# KiCad board rabbit_mask.kicad_pcb (continued)
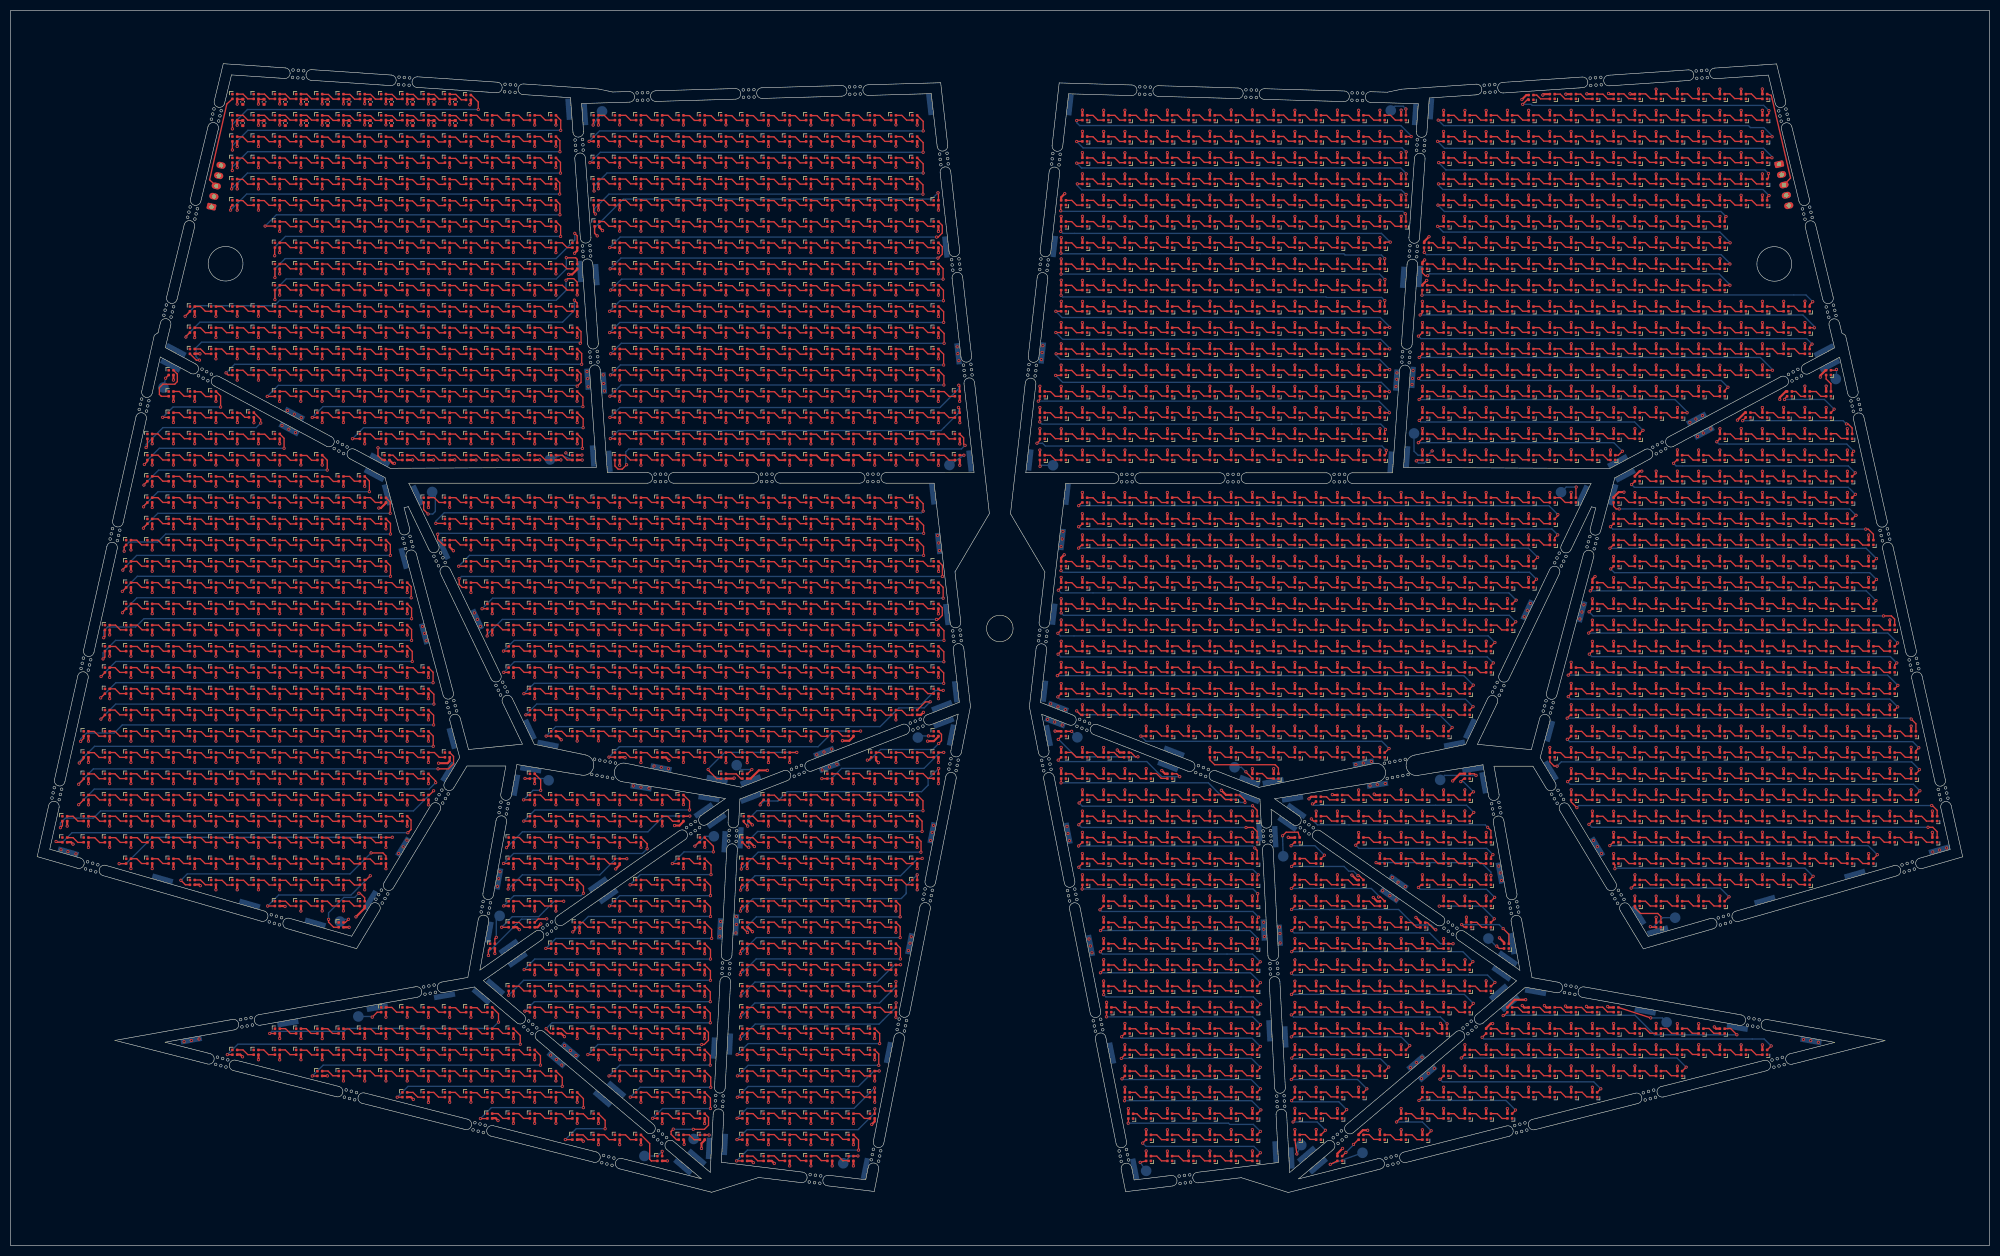
[diagram p0: board, top side]
## Routing (per net, layer and track width the routed paths; a pad name or vN(x,y) marks a point on that pad's centre or on a via; arc(x,y) is an arc through that point) (continued)
  Top w0.25: 253.69,183.9 252.59,183.9 251.69,184.8 250.59,184.8
Net-(D1739-DIN): length 3.5
  Top w0.25: 254.64,184.8 255.74,184.8 256.64,183.9 257.74,183.9
Net-(D1741-DIN): length 3.5
  Top w0.25: D1742.3 268.65,183.91 267.75,184.81 D1741.1
Net-(D1741-DOUT): length 61
  Top w0.25: v1(266.75,182.61) 266.3,182.61 265.75,183.16 D1741.3 ; v1(323.65,180.81) D1786.1
  Bottom w0.25: v1(323.65,180.81) 323.65,180.91 321.6,182.96 267.1,182.96 v1(266.75,182.61)
Net-(D1742-DIN): length 3.5
  Top w0.25: 270.75,184.81 271.85,184.81 272.75,183.91 273.85,183.91
Net-(D1743-DIN): length 3.5
  Top w0.25: 274.75,184.81 275.85,184.81 276.75,183.91 277.85,183.91
Net-(D1744-DIN): length 3.5
  Top w0.25: D1745.3 280.65,183.91 279.75,184.81 D1744.1
Net-(D1745-DIN): length 3.5
  Top w0.25: 282.6,184.86 283.7,184.86 284.6,183.96 285.7,183.96
Net-(D1746-DIN): length 3.5
  Top w0.25: 286.7,184.86 287.8,184.86 288.7,183.96 289.8,183.96
Net-(D1747-DIN): length 3.5
  Top w0.25: 290.7,184.86 291.8,184.86 292.7,183.96 293.8,183.96
Net-(D1748-DIN): length 3.5
  Top w0.25: 294.6,184.86 295.7,184.86 296.6,183.96 297.7,183.96
Net-(D1749-DIN): length 3.5
  Top w0.25: 298.65,184.86 299.75,184.86 300.65,183.96 301.75,183.96
Net-(D1750-DIN): length 3.5
  Top w0.25: 305.65,183.96 304.55,183.96 303.65,184.86 302.55,184.86
Net-(D1751-DIN): length 3.5
  Top w0.25: 306.6,184.86 307.7,184.86 308.6,183.96 309.7,183.96
Net-(D1752-DIN): length 3.5
  Top w0.25: D1752.1 311.75,184.81 312.65,183.91 D1753.3
Net-(D1753-DIN): length 3.5
  Top w0.25: 314.7,184.81 315.8,184.81 316.7,183.91 317.8,183.91
Net-(D1754-DIN): length 3.5
  Top w0.25: 321.7,183.91 320.6,183.91 319.7,184.81 318.6,184.81
Net-(D1756-DIN): length 3.5
  Top w0.25: 201.75,179.9 200.65,179.9 199.75,180.8 198.65,180.8
Net-(D1756-DOUT): length 63.5
  Top w0.25: v1(258.68,177.94) 258.65,177.91 D1802.1 ; v1(197.72,178.94) 197.72,179.89 D1756.3
  Bottom w0.25: v1(258.68,177.94) 258.09,178.52 247.69,178.52 247.6,178.61 198.05,178.61 v1(197.72,178.94)
Net-(D1757-DIN): length 3.5
  Top w0.25: 202.75,180.8 203.85,180.8 204.75,179.9 205.85,179.9
Net-(D1758-DIN): length 3.5
  Top w0.25: 209.85,179.9 208.75,179.9 207.85,180.8 206.75,180.8
Net-(D1759-DIN): length 3.5
  Top w0.25: 210.65,180.8 211.75,180.8 212.65,179.9 213.75,179.9
Net-(D1760-DIN): length 3.5
  Top w0.25: 214.6,180.85 215.7,180.85 216.6,179.95 217.7,179.95
Net-(D1761-DIN): length 3.5
  Top w0.25: 218.7,180.85 219.8,180.85 220.7,179.95 221.8,179.95
Net-(D1762-DIN): length 3.5
  Top w0.25: 225.8,179.95 224.7,179.95 223.8,180.85 222.7,180.85
Net-(D1763-DIN): length 3.5
  Top w0.25: 226.6,180.85 227.7,180.85 228.6,179.95 229.7,179.95
Net-(D1764-DIN): length 3.5
  Top w0.25: 230.65,180.85 231.75,180.85 232.65,179.95 233.75,179.95
Net-(D1765-DIN): length 3.5
  Top w0.25: 237.65,179.95 236.55,179.95 235.65,180.85 234.55,180.85
Net-(D1766-DIN): length 3.5
  Top w0.25: 241.7,179.95 240.6,179.95 239.7,180.85 238.6,180.85
Net-(D1767-DIN): length 3.5
  Top w0.25: 245.75,179.9 244.65,179.9 243.75,180.8 242.65,180.8
Net-(D1768-DIN): length 3.5
  Top w0.25: 246.7,180.8 247.8,180.8 248.7,179.9 249.8,179.9
Net-(D1769-DIN): length 3.5
  Top w0.25: 253.7,179.9 252.6,179.9 251.7,180.8 250.6,180.8
Net-(D1770-DIN): length 3.5
  Top w0.25: 254.65,180.8 255.75,180.8 256.65,179.9 257.75,179.9
Net-(D1772-DIN): length 3.5
  Top w0.25: 266.66,180.79 267.76,180.79 268.66,179.89 269.76,179.89
Net-(D1772-DOUT): length 76.2
  Top w0.25: D1772.3 265.68,179.84 v1(265.68,178.94) ; v1(339.22,177.71) 338.65,177.14 D1821.1
  Bottom w0.25: v1(339.22,177.71) 337.95,178.99 265.72,178.99 v1(265.68,178.94)
Net-(D1773-DIN): length 3.5
  Top w0.25: 270.76,180.79 271.86,180.79 272.76,179.89 273.86,179.89
Net-(D1774-DIN): length 3.5
  Top w0.25: 277.86,179.89 276.76,179.89 275.86,180.79 274.76,180.79
Net-(D1775-DIN): length 3.5
  Top w0.25: 281.76,179.89 280.66,179.89 279.76,180.79 278.66,180.79
Net-(D1776-DIN): length 3.5
  Top w0.25: 282.61,180.84 283.71,180.84 284.61,179.94 285.71,179.94
Net-(D1777-DIN): length 3.5
  Top w0.25: 286.71,180.84 287.81,180.84 288.71,179.94 289.81,179.94
Net-(D1778-DIN): length 3.5
  Top w0.25: 290.71,180.84 291.81,180.84 292.71,179.94 293.81,179.94
Net-(D1779-DIN): length 3.5
  Top w0.25: 294.61,180.84 295.71,180.84 296.61,179.94 297.71,179.94
Net-(D1780-DIN): length 3.5
  Top w0.25: 298.66,180.84 299.76,180.84 300.66,179.94 301.76,179.94
Net-(D1781-DIN): length 3.5
  Top w0.25: 302.56,180.84 303.66,180.84 304.56,179.94 305.66,179.94
Net-(D1782-DIN): length 3.5
  Top w0.25: 306.61,180.84 307.71,180.84 308.61,179.94 309.71,179.94
Net-(D1783-DIN): length 3.5
  Top w0.25: 313.76,179.89 312.66,179.89 311.76,180.79 310.66,180.79
Net-(D1784-DIN): length 3.5
  Top w0.25: 317.81,179.89 316.71,179.89 315.81,180.79 314.71,180.79
Net-(D1785-DIN): length 3.5
  Top w0.25: 318.61,180.79 319.71,180.79 320.61,179.89 321.71,179.89
Net-(D1787-DIN): length 3.5
  Top w0.25: 198.64,176.78 199.74,176.78 200.64,175.88 201.74,175.88
Net-(D1787-DOUT): length 66.1
  Top w0.25: v1(259.6,172.86) 258.7,172.86 D1837.1 ; D1787.3 v1(196.75,175.91)
  Bottom w0.25: v1(196.75,175.91) 197.92,174.74 257.84,174.74 259.6,172.97 v1(259.6,172.86)
Net-(D1788-DIN): length 3.5
  Top w0.25: 202.74,176.78 203.84,176.78 204.74,175.88 205.84,175.88
Net-(D1789-DIN): length 3.5
  Top w0.25: 209.84,175.88 208.74,175.88 207.84,176.78 206.74,176.78
Net-(D1790-DIN): length 3.5
  Top w0.25: 213.74,175.88 212.64,175.88 211.74,176.78 210.64,176.78
Net-(D1791-DIN): length 3.5
  Top w0.25: 217.69,175.93 216.59,175.93 215.69,176.83 214.59,176.83
Net-(D1792-DIN): length 3.5
  Top w0.25: 221.79,175.93 220.69,175.93 219.79,176.83 218.69,176.83
Net-(D1793-DIN): length 3.5
  Top w0.25: 225.79,175.93 224.69,175.93 223.79,176.83 222.69,176.83
Net-(D1794-DIN): length 3.5
  Top w0.25: 226.59,176.83 227.69,176.83 228.59,175.93 229.69,175.93
Net-(D1795-DIN): length 3.5
  Top w0.25: 233.74,175.93 232.64,175.93 231.74,176.83 230.64,176.83
Net-(D1796-DIN): length 3.5
  Top w0.25: 237.64,175.93 236.54,175.93 235.64,176.83 234.54,176.83
Net-(D1797-DIN): length 3.5
  Top w0.25: 241.69,175.93 240.59,175.93 239.69,176.83 238.59,176.83
Net-(D1798-DIN): length 3.5
  Top w0.25: 242.64,176.78 243.74,176.78 244.64,175.88 245.74,175.88
Net-(D1799-DIN): length 3.5
  Top w0.25: 246.69,176.78 247.79,176.78 248.69,175.88 249.79,175.88
Net-(D1800-DIN): length 3.5
  Top w0.25: 250.59,176.78 251.69,176.78 252.59,175.88 253.69,175.88
Net-(D1801-DIN): length 3.5
  Top w0.25: 254.64,176.78 255.74,176.78 256.64,175.88 257.74,175.88
Net-(D1803-DIN): length 3.5
  Top w0.25: 266.66,176.77 267.76,176.77 268.66,175.87 269.76,175.87
Net-(D1803-DOUT): length 77.1
  Top w0.25: D1803.3 265.75,175.64 v1(265.32,175.21) ; v1(339.52,172.81) D1856.1
  Bottom w0.25: v1(339.52,172.81) 339.52,173.06 337.38,175.21 v1(265.32,175.21)
Net-(D1804-DIN): length 3.5
  Top w0.25: 270.76,176.77 271.86,176.77 272.76,175.87 273.86,175.87
Net-(D1805-DIN): length 3.5
  Top w0.25: 277.86,175.87 276.76,175.87 275.86,176.77 274.76,176.77
Net-(D1806-DIN): length 3.5
  Top w0.25: 278.66,176.77 279.76,176.77 280.66,175.87 281.76,175.87
Net-(D1807-DIN): length 3.5
  Top w0.25: 282.61,176.82 283.71,176.82 284.61,175.92 285.71,175.92
Net-(D1808-DIN): length 3.5
  Top w0.25: 286.71,176.82 287.81,176.82 288.71,175.92 289.81,175.92
Net-(D1809-DIN): length 3.5
  Top w0.25: 293.81,175.92 292.71,175.92 291.81,176.82 290.71,176.82
Net-(D1810-DIN): length 3.5
  Top w0.25: 297.71,175.92 296.61,175.92 295.71,176.82 294.61,176.82
Net-(D1811-DIN): length 3.5
  Top w0.25: 298.66,176.82 299.76,176.82 300.66,175.92 301.76,175.92
Net-(D1812-DIN): length 3.5
  Top w0.25: 302.56,176.82 303.66,176.82 304.56,175.92 305.66,175.92
Net-(D1813-DIN): length 3.5
  Top w0.25: 306.61,176.82 307.71,176.82 308.61,175.92 309.71,175.92
Net-(D1814-DIN): length 3.5
  Top w0.25: 310.66,176.77 311.76,176.77 312.66,175.87 313.76,175.87
Net-(D1815-DIN): length 3.5
  Top w0.25: 314.71,176.77 315.81,176.77 316.71,175.87 317.81,175.87
Net-(D1816-DIN): length 3.5
  Top w0.25: 318.61,176.77 319.71,176.77 320.61,175.87 321.71,175.87
Net-(D1817-DIN): length 3.5
  Top w0.25: 322.66,176.77 323.76,176.77 324.66,175.87 325.76,175.87
Net-(D1818-DIN): length 3.5
  Top w0.25: 329.74,175.9 328.64,175.9 327.74,176.8 326.64,176.8
Net-(D1819-DIN): length 3.5
  Top w0.25: 333.74,175.9 332.64,175.9 331.74,176.8 330.64,176.8
Net-(D1820-DIN): length 3.5
  Top w0.25: 334.59,176.85 335.69,176.85 336.59,175.95 337.69,175.95
Net-(D1822-DIN): length 3.5
  Top w0.25: 198.64,172.79 199.74,172.79 200.64,171.89 201.74,171.89
Net-(D1822-DOUT): length 66.2
  Top w0.25: v1(259.6,168.84) 259.57,168.81 D1872.1 ; v1(196.75,171.91) D1822.3
  Bottom w0.25: v1(259.6,168.84) 259.6,168.96 257.93,170.64 198.02,170.64 v1(196.75,171.91)
Net-(D1823-DIN): length 3.5
  Top w0.25: 202.74,172.79 203.84,172.79 204.74,171.89 205.84,171.89
Net-(D1824-DIN): length 3.5
  Top w0.25: 209.84,171.89 208.74,171.89 207.84,172.79 206.74,172.79
Net-(D1825-DIN): length 3.5
  Top w0.25: 210.64,172.79 211.74,172.79 212.64,171.89 213.74,171.89
Net-(D1826-DIN): length 3.5
  Top w0.25: 217.69,171.94 216.59,171.94 215.69,172.84 214.59,172.84
Net-(D1827-DIN): length 3.5
  Top w0.25: 221.79,171.94 220.69,171.94 219.79,172.84 218.69,172.84
Net-(D1828-DIN): length 3.5
  Top w0.25: 222.69,172.84 223.79,172.84 224.69,171.94 225.79,171.94
Net-(D1829-DIN): length 3.5
  Top w0.25: 229.69,171.94 228.59,171.94 227.69,172.84 226.59,172.84
Net-(D1830-DIN): length 3.5
  Top w0.25: 230.64,172.84 231.74,172.84 232.64,171.94 233.74,171.94
Net-(D1831-DIN): length 3.5
  Top w0.25: 234.54,172.84 235.64,172.84 236.54,171.94 237.64,171.94
Net-(D1832-DIN): length 3.5
  Top w0.25: 238.59,172.84 239.69,172.84 240.59,171.94 241.69,171.94
Net-(D1833-DIN): length 3.5
  Top w0.25: 245.74,171.89 244.64,171.89 243.74,172.79 242.64,172.79
Net-(D1834-DIN): length 3.5
  Top w0.25: 246.69,172.79 247.79,172.79 248.69,171.89 249.79,171.89
Net-(D1835-DIN): length 3.5
  Top w0.25: 250.59,172.79 251.69,172.79 252.59,171.89 253.69,171.89
Net-(D1836-DIN): length 3.5
  Top w0.25: 254.64,172.79 255.74,172.79 256.64,171.89 257.74,171.89
Net-(D1838-DIN): length 3.5
  Top w0.25: 269.75,171.89 268.65,171.89 267.75,172.79 266.65,172.79
Net-(D1838-DOUT): length 76.9
  Top w0.25: v1(339.1,169.74) 338.65,169.29 D1891.1 ; v1(265,171.24) 265.07,171.24 D1838.3
  Bottom w0.25: v1(339.1,169.74) 338.07,170.76 265.47,170.76 v1(265,171.24)
Net-(D1839-DIN): length 3.5
  Top w0.25: 270.75,172.79 271.85,172.79 272.75,171.89 273.85,171.89
Net-(D1840-DIN): length 3.5
  Top w0.25: 274.75,172.79 275.85,172.79 276.75,171.89 277.85,171.89
Net-(D1841-DIN): length 3.5
  Top w0.25: 278.65,172.79 279.75,172.79 280.65,171.89 281.75,171.89
Net-(D1842-DIN): length 3.5
  Top w0.25: 285.7,171.94 284.6,171.94 283.7,172.84 282.6,172.84
Net-(D1843-DIN): length 3.5
  Top w0.25: 289.8,171.94 288.7,171.94 287.8,172.84 286.7,172.84
Net-(D1844-DIN): length 3.5
  Top w0.25: 293.8,171.94 292.7,171.94 291.8,172.84 290.7,172.84
Net-(D1845-DIN): length 3.5
  Top w0.25: 297.7,171.94 296.6,171.94 295.7,172.84 294.6,172.84
Net-(D1846-DIN): length 3.5
  Top w0.25: 298.65,172.84 299.75,172.84 300.65,171.94 301.75,171.94
Net-(D1847-DIN): length 3.5
  Top w0.25: 305.65,171.94 304.55,171.94 303.65,172.84 302.55,172.84
Net-(D1848-DIN): length 3.5
  Top w0.25: 306.6,172.84 307.7,172.84 308.6,171.94 309.7,171.94
Net-(D1849-DIN): length 3.5
  Top w0.25: 310.65,172.79 311.75,172.79 312.65,171.89 313.75,171.89
Net-(D1850-DIN): length 3.5
  Top w0.25: 317.8,171.89 316.7,171.89 315.8,172.79 314.7,172.79
Net-(D1851-DIN): length 3.5
  Top w0.25: 318.6,172.79 319.7,172.79 320.6,171.89 321.7,171.89
Net-(D1852-DIN): length 3.5
  Top w0.25: 325.75,171.89 324.65,171.89 323.75,172.79 322.65,172.79
Net-(D1853-DIN): length 3.5
  Top w0.25: 326.65,172.8 327.75,172.8 328.65,171.9 329.75,171.9
Net-(D1854-DIN): length 3.5
  Top w0.25: 330.6,172.85 331.7,172.85 332.6,171.95 333.7,171.95
Net-(D1855-DIN): length 3.5
  Top w0.25: 337.8,171.95 336.7,171.95 335.8,172.85 334.7,172.85
Net-(D1857-DIN): length 3.5
  Top w0.25: 201.74,167.9 200.64,167.9 199.74,168.8 198.64,168.8
Net-(D1857-DOUT): length 66.2
  Top w0.25: D1907.1 258.75,164.91 v1(259.6,164.91) ; D1857.3 v1(196.8,167.91)
  Bottom w0.25: v1(196.8,167.91) 196.8,167.66 197.6,166.86 257.69,166.86 259.6,164.95 v1(259.6,164.91)
Net-(D1858-DIN): length 3.5
  Top w0.25: 202.74,168.8 203.84,168.8 204.74,167.9 205.84,167.9
Net-(D1859-DIN): length 3.5
  Top w0.25: 209.84,167.9 208.74,167.9 207.84,168.8 206.74,168.8
Net-(D1860-DIN): length 3.5
  Top w0.25: 210.64,168.8 211.74,168.8 212.64,167.9 213.74,167.9
Net-(D1861-DIN): length 3.5
  Top w0.25: 214.59,168.85 215.69,168.85 216.59,167.95 217.69,167.95
Net-(D1862-DIN): length 3.5
  Top w0.25: 221.79,167.95 220.69,167.95 219.79,168.85 218.69,168.85
Net-(D1863-DIN): length 3.5
  Top w0.25: 225.79,167.95 224.69,167.95 223.79,168.85 222.69,168.85
Net-(D1864-DIN): length 3.5
  Top w0.25: 229.69,167.95 228.59,167.95 227.69,168.85 226.59,168.85
Net-(D1865-DIN): length 3.5
  Top w0.25: 230.64,168.85 231.74,168.85 232.64,167.95 233.74,167.95
Net-(D1866-DIN): length 3.5
  Top w0.25: 237.64,167.95 236.54,167.95 235.64,168.85 234.54,168.85
Net-(D1867-DIN): length 3.5
  Top w0.25: 238.59,168.85 239.69,168.85 240.59,167.95 241.69,167.95
Net-(D1868-DIN): length 3.5
  Top w0.25: 242.64,168.8 243.74,168.8 244.64,167.9 245.74,167.9
Net-(D1869-DIN): length 3.5
  Top w0.25: 246.69,168.8 247.79,168.8 248.69,167.9 249.79,167.9
Net-(D1870-DIN): length 3.5
  Top w0.25: 253.69,167.9 252.59,167.9 251.69,168.8 250.59,168.8
Net-(D1871-DIN): length 3.5
  Top w0.25: 254.64,168.8 255.74,168.8 256.64,167.9 257.74,167.9
Net-(D1873-DIN): length 3.5
  Top w0.25: 269.75,167.9 268.65,167.9 267.75,168.8 266.65,168.8
Net-(D1873-DOUT): length 69.5
  Top w0.25: D1873.3 265.75,167.81 v1(265.15,167.21) ; v1(331.65,164.81) D1924.1
  Bottom w0.25: v1(265.15,167.21) 329.37,167.21 331.65,164.93 v1(331.65,164.81)
Net-(D1874-DIN): length 3.5
  Top w0.25: 270.75,168.8 271.85,168.8 272.75,167.9 273.85,167.9
Net-(D1875-DIN): length 3.5
  Top w0.25: 277.85,167.9 276.75,167.9 275.85,168.8 274.75,168.8
Net-(D1876-DIN): length 3.5
  Top w0.25: 278.65,168.8 279.75,168.8 280.65,167.9 281.75,167.9
Net-(D1877-DIN): length 3.5
  Top w0.25: 285.7,167.95 284.6,167.95 283.7,168.85 282.6,168.85
Net-(D1878-DIN): length 3.5
  Top w0.25: 289.8,167.95 288.7,167.95 287.8,168.85 286.7,168.85
Net-(D1879-DIN): length 3.5
  Top w0.25: 290.7,168.85 291.8,168.85 292.7,167.95 293.8,167.95
Net-(D1880-DIN): length 3.5
  Top w0.25: 297.7,167.95 296.6,167.95 295.7,168.85 294.6,168.85
Net-(D1881-DIN): length 3.5
  Top w0.25: 301.75,167.95 300.65,167.95 299.75,168.85 298.65,168.85
Net-(D1882-DIN): length 3.5
  Top w0.25: 305.65,167.95 304.55,167.95 303.65,168.85 302.55,168.85
Net-(D1883-DIN): length 3.5
  Top w0.25: 309.7,167.95 308.6,167.95 307.7,168.85 306.6,168.85
Net-(D1884-DIN): length 3.5
  Top w0.25: 310.65,168.8 311.75,168.8 312.65,167.9 313.75,167.9
Net-(D1885-DIN): length 3.5
  Top w0.25: 314.7,168.8 315.8,168.8 316.7,167.9 317.8,167.9
Net-(D1886-DIN): length 3.5
  Top w0.25: 321.7,167.9 320.6,167.9 319.7,168.8 318.6,168.8
Net-(D1887-DIN): length 3.5
  Top w0.25: 325.75,167.9 324.65,167.9 323.75,168.8 322.65,168.8
Net-(D1888-DIN): length 3.5
  Top w0.25: 329.75,167.89 328.65,167.89 327.75,168.79 326.65,168.79
Net-(D1889-DIN): length 3.5
  Top w0.25: 330.6,168.84 331.7,168.84 332.6,167.94 333.7,167.94
Net-(D1890-DIN): length 3.5
  Top w0.25: 334.7,168.84 335.8,168.84 336.7,167.94 337.8,167.94
Net-(D1892-DIN): length 3.5
  Top w0.25: 201.74,163.88 200.64,163.88 199.74,164.78 198.64,164.78
Net-(D1892-DOUT): length 66.2
  Top w0.25: D1942.1 259.47,160.81 v1(259.52,160.76) ; D1892.3 197.67,163.84 v1(196.72,163.84)
  Bottom w0.25: v1(196.72,163.84) 198.02,162.54 258.03,162.54 259.52,161.04 v1(259.52,160.76)
Net-(D1893-DIN): length 3.5
  Top w0.25: 202.74,164.78 203.84,164.78 204.74,163.88 205.84,163.88
Net-(D1894-DIN): length 3.5
  Top w0.25: 206.74,164.78 207.84,164.78 208.74,163.88 209.84,163.88
Net-(D1895-DIN): length 3.5
  Top w0.25: 210.64,164.78 211.74,164.78 212.64,163.88 213.74,163.88
Net-(D1896-DIN): length 3.5
  Top w0.25: 214.59,164.83 215.69,164.83 216.59,163.93 217.69,163.93
Net-(D1897-DIN): length 3.5
  Top w0.25: 218.69,164.83 219.79,164.83 220.69,163.93 221.79,163.93
Net-(D1898-DIN): length 3.5
  Top w0.25: 222.69,164.83 223.79,164.83 224.69,163.93 225.79,163.93
Net-(D1899-DIN): length 3.5
  Top w0.25: 226.59,164.83 227.69,164.83 228.59,163.93 229.69,163.93
Net-(D1900-DIN): length 3.5
  Top w0.25: 230.64,164.83 231.74,164.83 232.64,163.93 233.74,163.93
Net-(D1901-DIN): length 3.5
  Top w0.25: 237.64,163.93 236.54,163.93 235.64,164.83 234.54,164.83
Net-(D1902-DIN): length 3.5
  Top w0.25: 241.69,163.93 240.59,163.93 239.69,164.83 238.59,164.83
Net-(D1903-DIN): length 3.5
  Top w0.25: 242.64,164.78 243.74,164.78 244.64,163.88 245.74,163.88
Net-(D1904-DIN): length 3.5
  Top w0.25: 249.79,163.88 248.69,163.88 247.79,164.78 246.69,164.78
Net-(D1905-DIN): length 3.5
  Top w0.25: 250.59,164.78 251.69,164.78 252.59,163.88 253.69,163.88
Net-(D1906-DIN): length 3.5
  Top w0.25: 254.64,164.78 255.74,164.78 256.64,163.88 257.74,163.88
Net-(D1908-DIN): length 3.5
  Top w0.25: 266.66,164.79 267.76,164.79 268.66,163.89 269.76,163.89
Net-(D1908-DOUT): length 60.9
  Top w0.25: v1(323.27,161.61) 322.65,160.99 D1957.1 ; v1(265.05,163.26) 265.1,163.26 D1908.3
  Bottom w0.25: v1(265.05,163.26) 265.43,162.89 322,162.89 v1(323.27,161.61)
Net-(D1909-DIN): length 3.5
  Top w0.25: 270.76,164.79 271.86,164.79 272.76,163.89 273.86,163.89
Net-(D1910-DIN): length 3.5
  Top w0.25: 274.76,164.79 275.86,164.79 276.76,163.89 277.86,163.89
Net-(D1911-DIN): length 3.5
  Top w0.25: 278.66,164.79 279.76,164.79 280.66,163.89 281.76,163.89
Net-(D1912-DIN): length 3.5
  Top w0.25: 282.61,164.84 283.71,164.84 284.61,163.94 285.71,163.94
Net-(D1913-DIN): length 3.5
  Top w0.25: 286.71,164.84 287.81,164.84 288.71,163.94 289.81,163.94
Net-(D1914-DIN): length 3.5
  Top w0.25: 290.71,164.84 291.81,164.84 292.71,163.94 293.81,163.94
Net-(D1915-DIN): length 3.5
  Top w0.25: 297.71,163.94 296.61,163.94 295.71,164.84 294.61,164.84
Net-(D1916-DIN): length 3.5
  Top w0.25: 301.76,163.94 300.66,163.94 299.76,164.84 298.66,164.84
Net-(D1917-DIN): length 3.5
  Top w0.25: 305.66,163.94 304.56,163.94 303.66,164.84 302.56,164.84
Net-(D1918-DIN): length 3.5
  Top w0.25: 306.61,164.84 307.71,164.84 308.61,163.94 309.71,163.94
Net-(D1919-DIN): length 3.5
  Top w0.25: 310.66,164.79 311.76,164.79 312.66,163.89 313.76,163.89
Net-(D1920-DIN): length 3.5
  Top w0.25: 314.71,164.79 315.81,164.79 316.71,163.89 317.81,163.89
Net-(D1921-DIN): length 3.5
  Top w0.25: 318.61,164.79 319.71,164.79 320.61,163.89 321.71,163.89
Net-(D1922-DIN): length 3.5
  Top w0.25: 325.76,163.89 324.66,163.89 323.76,164.79 322.66,164.79
Net-(D1923-DIN): length 3.5
  Top w0.25: 329.72,163.9 328.62,163.9 327.72,164.8 326.62,164.8
Net-(D1925-DOUT): length 3.5
  Top w0.25: D1960.1 342.65,162.26 341.75,163.16 D1925.3
Net-(D1926-DIN): length 3.5
  Top w0.25: 197.75,159.89 196.65,159.89 195.75,160.79 194.65,160.79
Net-(D1926-DOUT): length 69
  Top w0.25: D1926.3 193.75,159.29 v1(193.45,158.99) ; v1(259.52,156.81) D1977.1
  Bottom w0.25: v1(259.52,156.81) 259.52,157.04 257.58,158.99 v1(193.45,158.99)
Net-(D1927-DIN): length 3.5
  Top w0.25: 201.85,159.89 200.75,159.89 199.85,160.79 198.75,160.79
Net-(D1928-DIN): length 3.5
  Top w0.25: 202.75,160.79 203.85,160.79 204.75,159.89 205.85,159.89
Net-(D1929-DIN): length 3.5
  Top w0.25: 206.65,160.79 207.75,160.79 208.65,159.89 209.75,159.89
Net-(D1930-DIN): length 3.5
  Top w0.25: 210.6,160.84 211.7,160.84 212.6,159.94 213.7,159.94
Net-(D1931-DIN): length 3.5
  Top w0.25: 214.7,160.84 215.8,160.84 216.7,159.94 217.8,159.94
Net-(D1932-DIN): length 3.5
  Top w0.25: 218.7,160.84 219.8,160.84 220.7,159.94 221.8,159.94
Net-(D1933-DIN): length 3.5
  Top w0.25: 225.7,159.94 224.6,159.94 223.7,160.84 222.6,160.84
Net-(D1934-DIN): length 3.5
  Top w0.25: 229.75,159.94 228.65,159.94 227.75,160.84 226.65,160.84
Net-(D1935-DIN): length 3.5
  Top w0.25: 233.65,159.94 232.55,159.94 231.65,160.84 230.55,160.84
Net-(D1936-DIN): length 3.5
  Top w0.25: 234.6,160.84 235.7,160.84 236.6,159.94 237.7,159.94
Net-(D1937-DIN): length 3.5
  Top w0.25: 238.65,160.79 239.75,160.79 240.65,159.89 241.75,159.89
Net-(D1938-DIN): length 3.5
  Top w0.25: 242.7,160.79 243.8,160.79 244.7,159.89 245.8,159.89
Net-(D1939-DIN): length 3.5
  Top w0.25: 246.6,160.79 247.7,160.79 248.6,159.89 249.7,159.89
Net-(D1940-DIN): length 3.5
  Top w0.25: 250.65,160.79 251.75,160.79 252.65,159.89 253.75,159.89
Net-(D1941-DIN): length 3.5
  Top w0.25: D1942.3 256.65,159.91 255.75,160.81 D1941.1
Net-(D1943-DIN): length 3.5
  Top w0.25: 266.65,160.8 267.75,160.8 268.65,159.9 269.75,159.9
Net-(D1943-DOUT): length 53.4
  Top w0.25: D1943.3 v1(265.12,159.29) ; v1(315.57,156.81) D1990.1
  Bottom w0.25: v1(315.57,156.81) 315.57,157.01 313.3,159.29 v1(265.12,159.29)
Net-(D1944-DIN): length 3.5
  Top w0.25: 273.85,159.9 272.75,159.9 271.85,160.8 270.75,160.8
Net-(D1945-DIN): length 3.5
  Top w0.25: 277.85,159.9 276.75,159.9 275.85,160.8 274.75,160.8
Net-(D1946-DIN): length 3.5
  Top w0.25: 281.75,159.9 280.65,159.9 279.75,160.8 278.65,160.8
Net-(D1947-DIN): length 3.5
  Top w0.25: 282.6,160.85 283.7,160.85 284.6,159.95 285.7,159.95
Net-(D1948-DIN): length 3.5
  Top w0.25: 286.7,160.85 287.8,160.85 288.7,159.95 289.8,159.95
Net-(D1949-DIN): length 3.5
  Top w0.25: 290.7,160.85 291.8,160.85 292.7,159.95 293.8,159.95
Net-(D1950-DIN): length 3.5
  Top w0.25: 297.7,159.95 296.6,159.95 295.7,160.85 294.6,160.85
Net-(D1951-DIN): length 3.5
  Top w0.25: 298.65,160.85 299.75,160.85 300.65,159.95 301.75,159.95
Net-(D1952-DIN): length 3.5
  Top w0.25: 305.65,159.95 304.55,159.95 303.65,160.85 302.55,160.85
Net-(D1953-DIN): length 3.5
  Top w0.25: 309.7,159.95 308.6,159.95 307.7,160.85 306.6,160.85
Net-(D1954-DIN): length 3.5
  Top w0.25: 310.65,160.8 311.75,160.8 312.65,159.9 313.75,159.9
Net-(D1955-DIN): length 3.5
  Top w0.25: 317.8,159.9 316.7,159.9 315.8,160.8 314.7,160.8
Net-(D1956-DIN): length 3.5
  Top w0.25: 321.7,159.9 320.6,159.9 319.7,160.8 318.6,160.8
Net-(D1958-DIN): length 2.8
  Top w0.25: 337.76,159.9 336.96,159.9 336.05,160.81 D1958.1
Net-(D1958-DOUT): length 11.8
  Top w0.25: D1995.1 343.25,157.41 v1(343.25,157.49) ; v1(333.93,159.31) 333.93,159.44 D1958.3
  Bottom w0.25: v1(343.25,157.49) 341.43,159.31 v1(333.93,159.31)
Net-(D1959-DIN): length 3.5
  Top w0.25: 341.86,159.9 340.76,159.9 339.86,160.8 338.76,160.8
Net-(D1961-DIN): length 3.5
  Top w0.25: 194.64,156.8 195.74,156.8 196.64,155.9 197.74,155.9
Net-(D1961-DOUT): length 67.5
  Top w0.25: v1(258.8,153.66) 258.65,153.51 D2012.1 ; v1(193.72,155.09) 193.72,155.89 D1961.3
  Bottom w0.25: v1(258.8,153.66) 258.8,153.78 257.92,154.66 194.15,154.66 v1(193.72,155.09)
Net-(D1962-DIN): length 3.5
  Top w0.25: 201.84,155.9 200.74,155.9 199.84,156.8 198.74,156.8
Net-(D1963-DIN): length 3.5
  Top w0.25: 202.74,156.8 203.84,156.8 204.74,155.9 205.84,155.9
Net-(D1964-DIN): length 3.5
  Top w0.25: 206.64,156.8 207.74,156.8 208.64,155.9 209.74,155.9
Net-(D1965-DIN): length 3.5
  Top w0.25: 213.69,155.95 212.59,155.95 211.69,156.85 210.59,156.85
Net-(D1966-DIN): length 3.5
  Top w0.25: 214.69,156.85 215.79,156.85 216.69,155.95 217.79,155.95
Net-(D1967-DIN): length 3.5
  Top w0.25: 218.69,156.85 219.79,156.85 220.69,155.95 221.79,155.95
Net-(D1968-DIN): length 3.5
  Top w0.25: 225.69,155.95 224.59,155.95 223.69,156.85 222.59,156.85
Net-(D1969-DIN): length 3.5
  Top w0.25: 226.64,156.85 227.74,156.85 228.64,155.95 229.74,155.95
Net-(D1970-DIN): length 3.5
  Top w0.25: 233.64,155.95 232.54,155.95 231.64,156.85 230.54,156.85
Net-(D1971-DIN): length 3.5
  Top w0.25: 237.69,155.95 236.59,155.95 235.69,156.85 234.59,156.85
Net-(D1972-DIN): length 3.5
  Top w0.25: 241.74,155.9 240.64,155.9 239.74,156.8 238.64,156.8
Net-(D1973-DIN): length 3.5
  Top w0.25: 245.79,155.9 244.69,155.9 243.79,156.8 242.69,156.8
Net-(D1974-DIN): length 3.5
  Top w0.25: 249.69,155.9 248.59,155.9 247.69,156.8 246.59,156.8
Net-(D1975-DIN): length 3.5
  Top w0.25: 250.64,156.8 251.74,156.8 252.64,155.9 253.74,155.9
Net-(D1976-DIN): length 3.5
  Top w0.25: 254.64,156.82 255.74,156.82 256.64,155.92 257.74,155.92
Net-(D1978-DIN): length 3.5
  Top w0.25: 266.65,156.8 267.75,156.8 268.65,155.9 269.75,155.9
Net-(D1978-DOUT): length 44.7
  Top w0.25: D2023.1 306.65,152.86 v1(307.27,153.49) ; D1978.3 265.2,155.36 v1(265.15,155.36)
  Bottom w0.25: v1(307.27,153.49) 305.7,155.06 265.45,155.06 v1(265.15,155.36)
Net-(D1979-DIN): length 3.5
  Top w0.25: 270.75,156.8 271.85,156.8 272.75,155.9 273.85,155.9
Net-(D1980-DIN): length 3.5
  Top w0.25: 277.85,155.9 276.75,155.9 275.85,156.8 274.75,156.8
Net-(D1981-DIN): length 3.5
  Top w0.25: 281.75,155.9 280.65,155.9 279.75,156.8 278.65,156.8
Net-(D1982-DIN): length 3.5
  Top w0.25: 285.7,155.95 284.6,155.95 283.7,156.85 282.6,156.85
